# Altium PCB Whitespace_Daughtercard.PcbDoc (part 1 of 5) (continued)
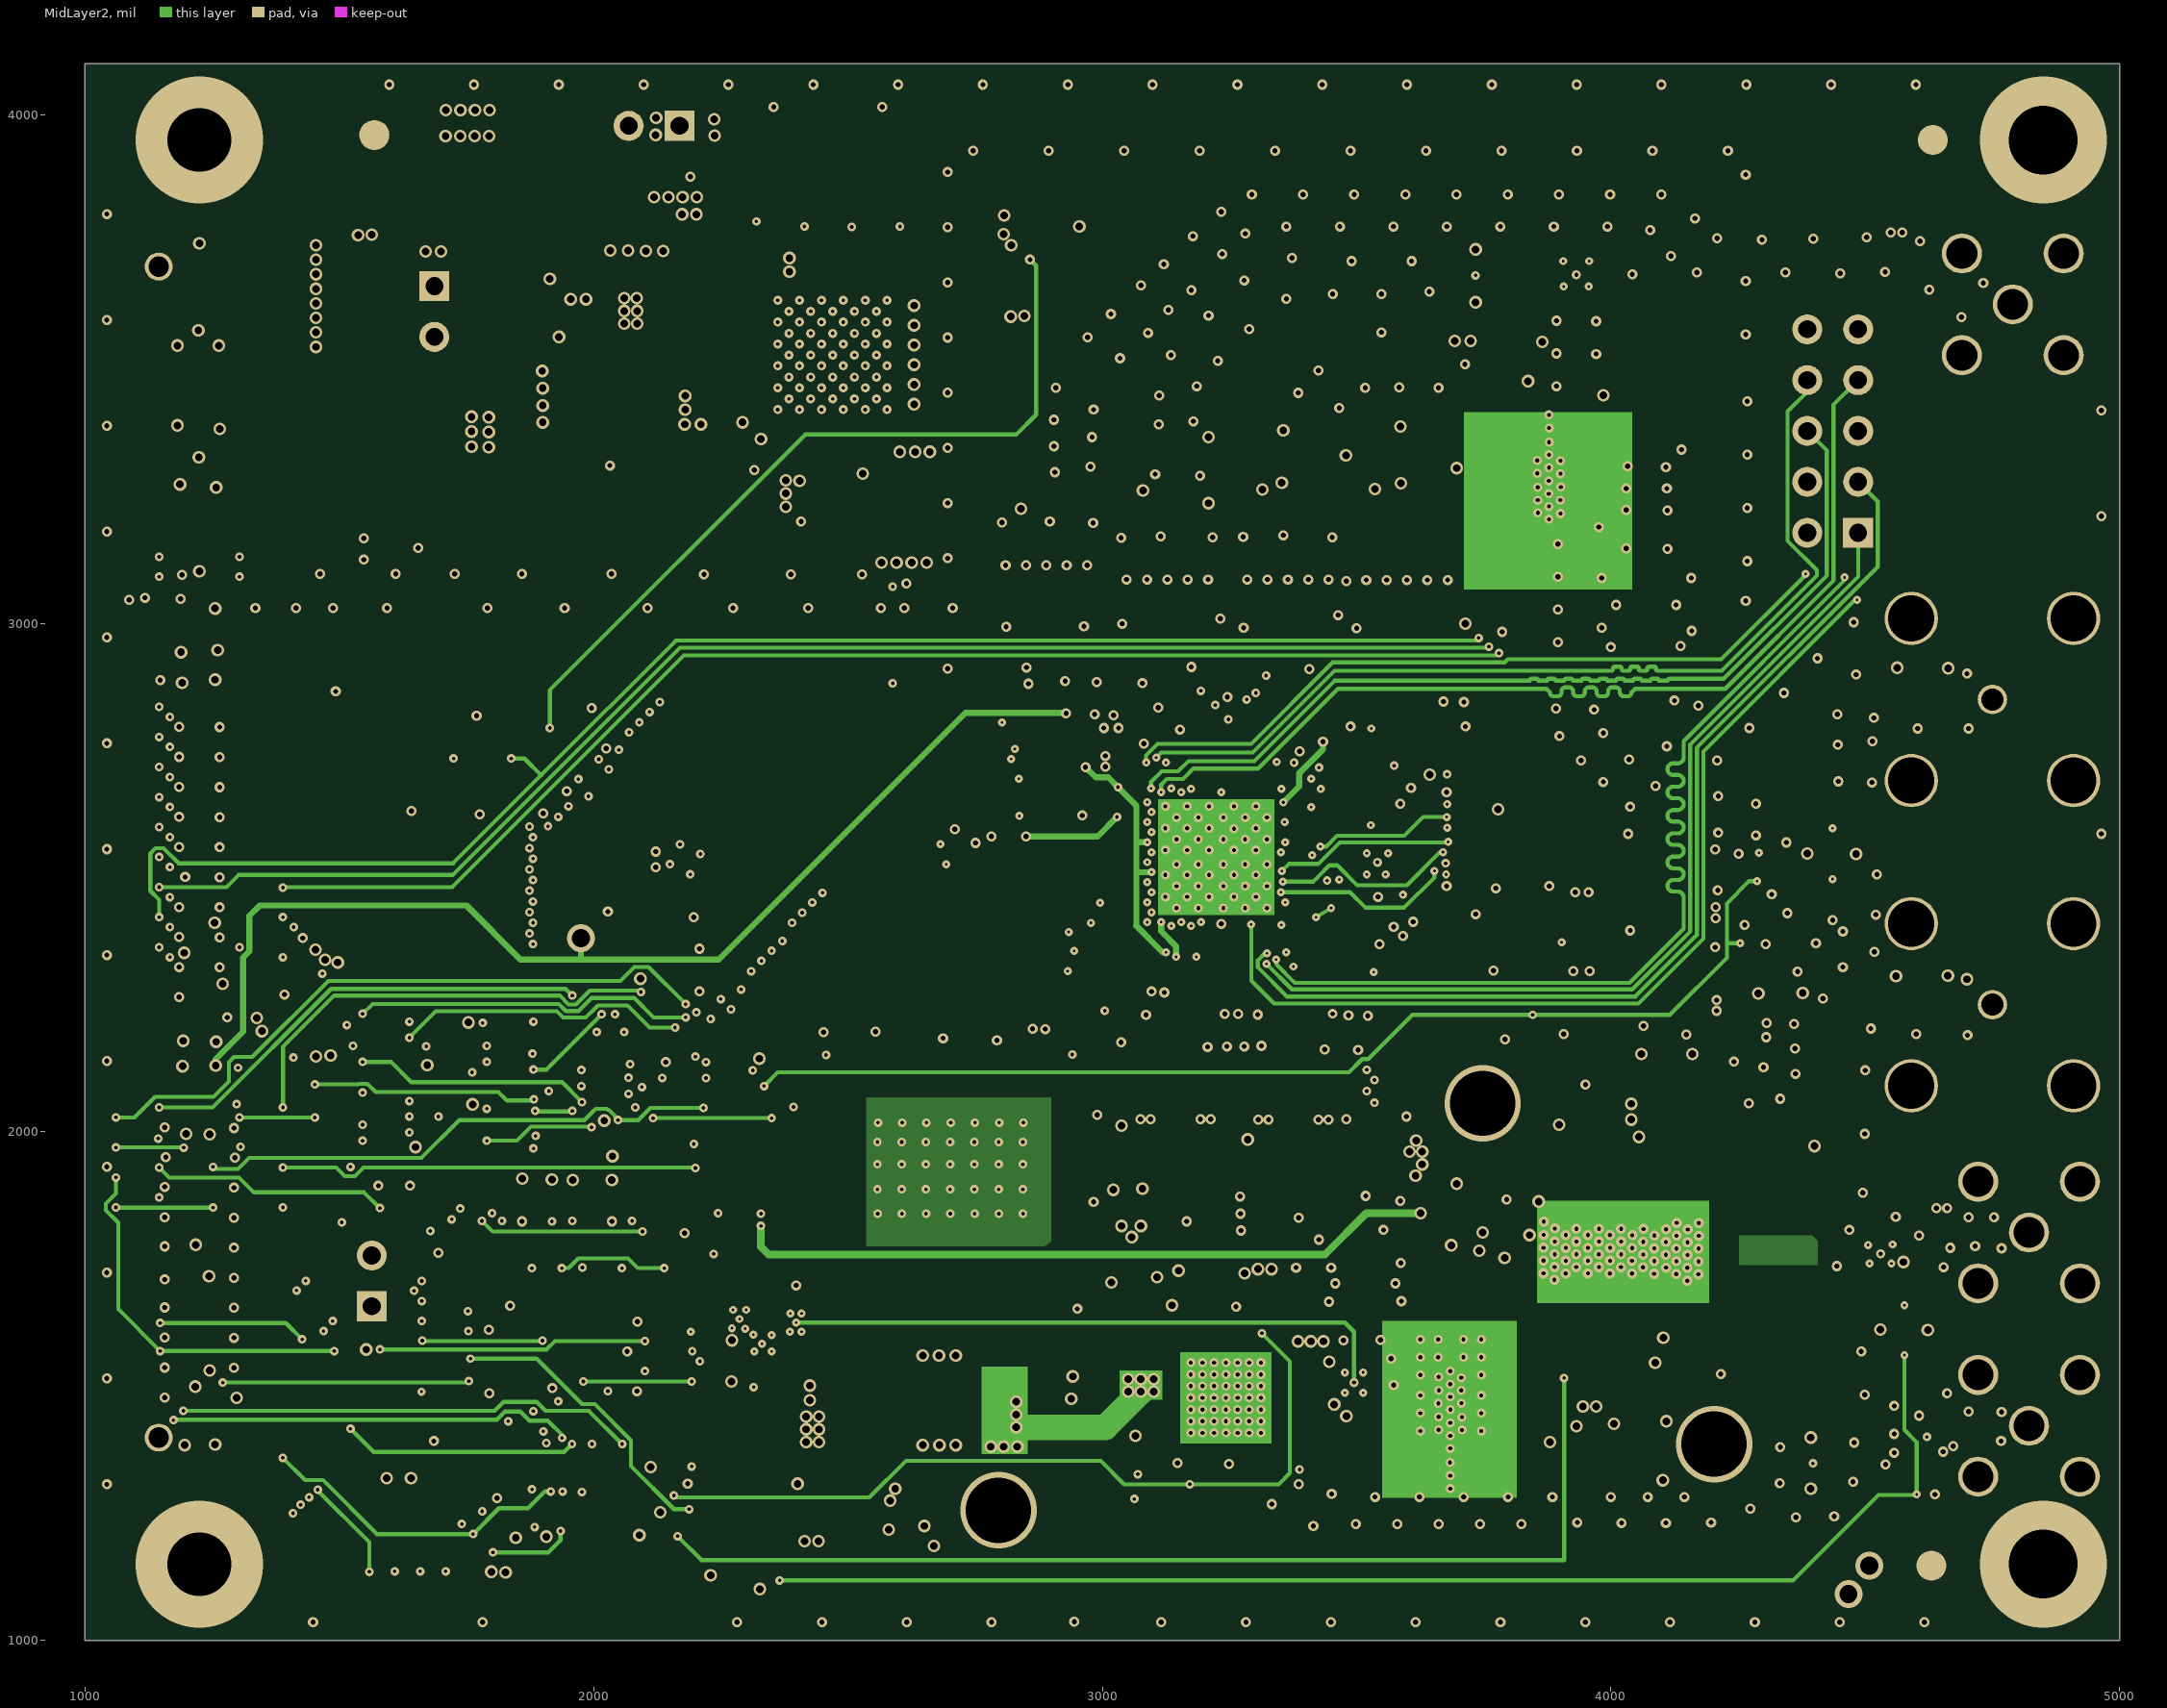
[diagram p4: MidLayer2]
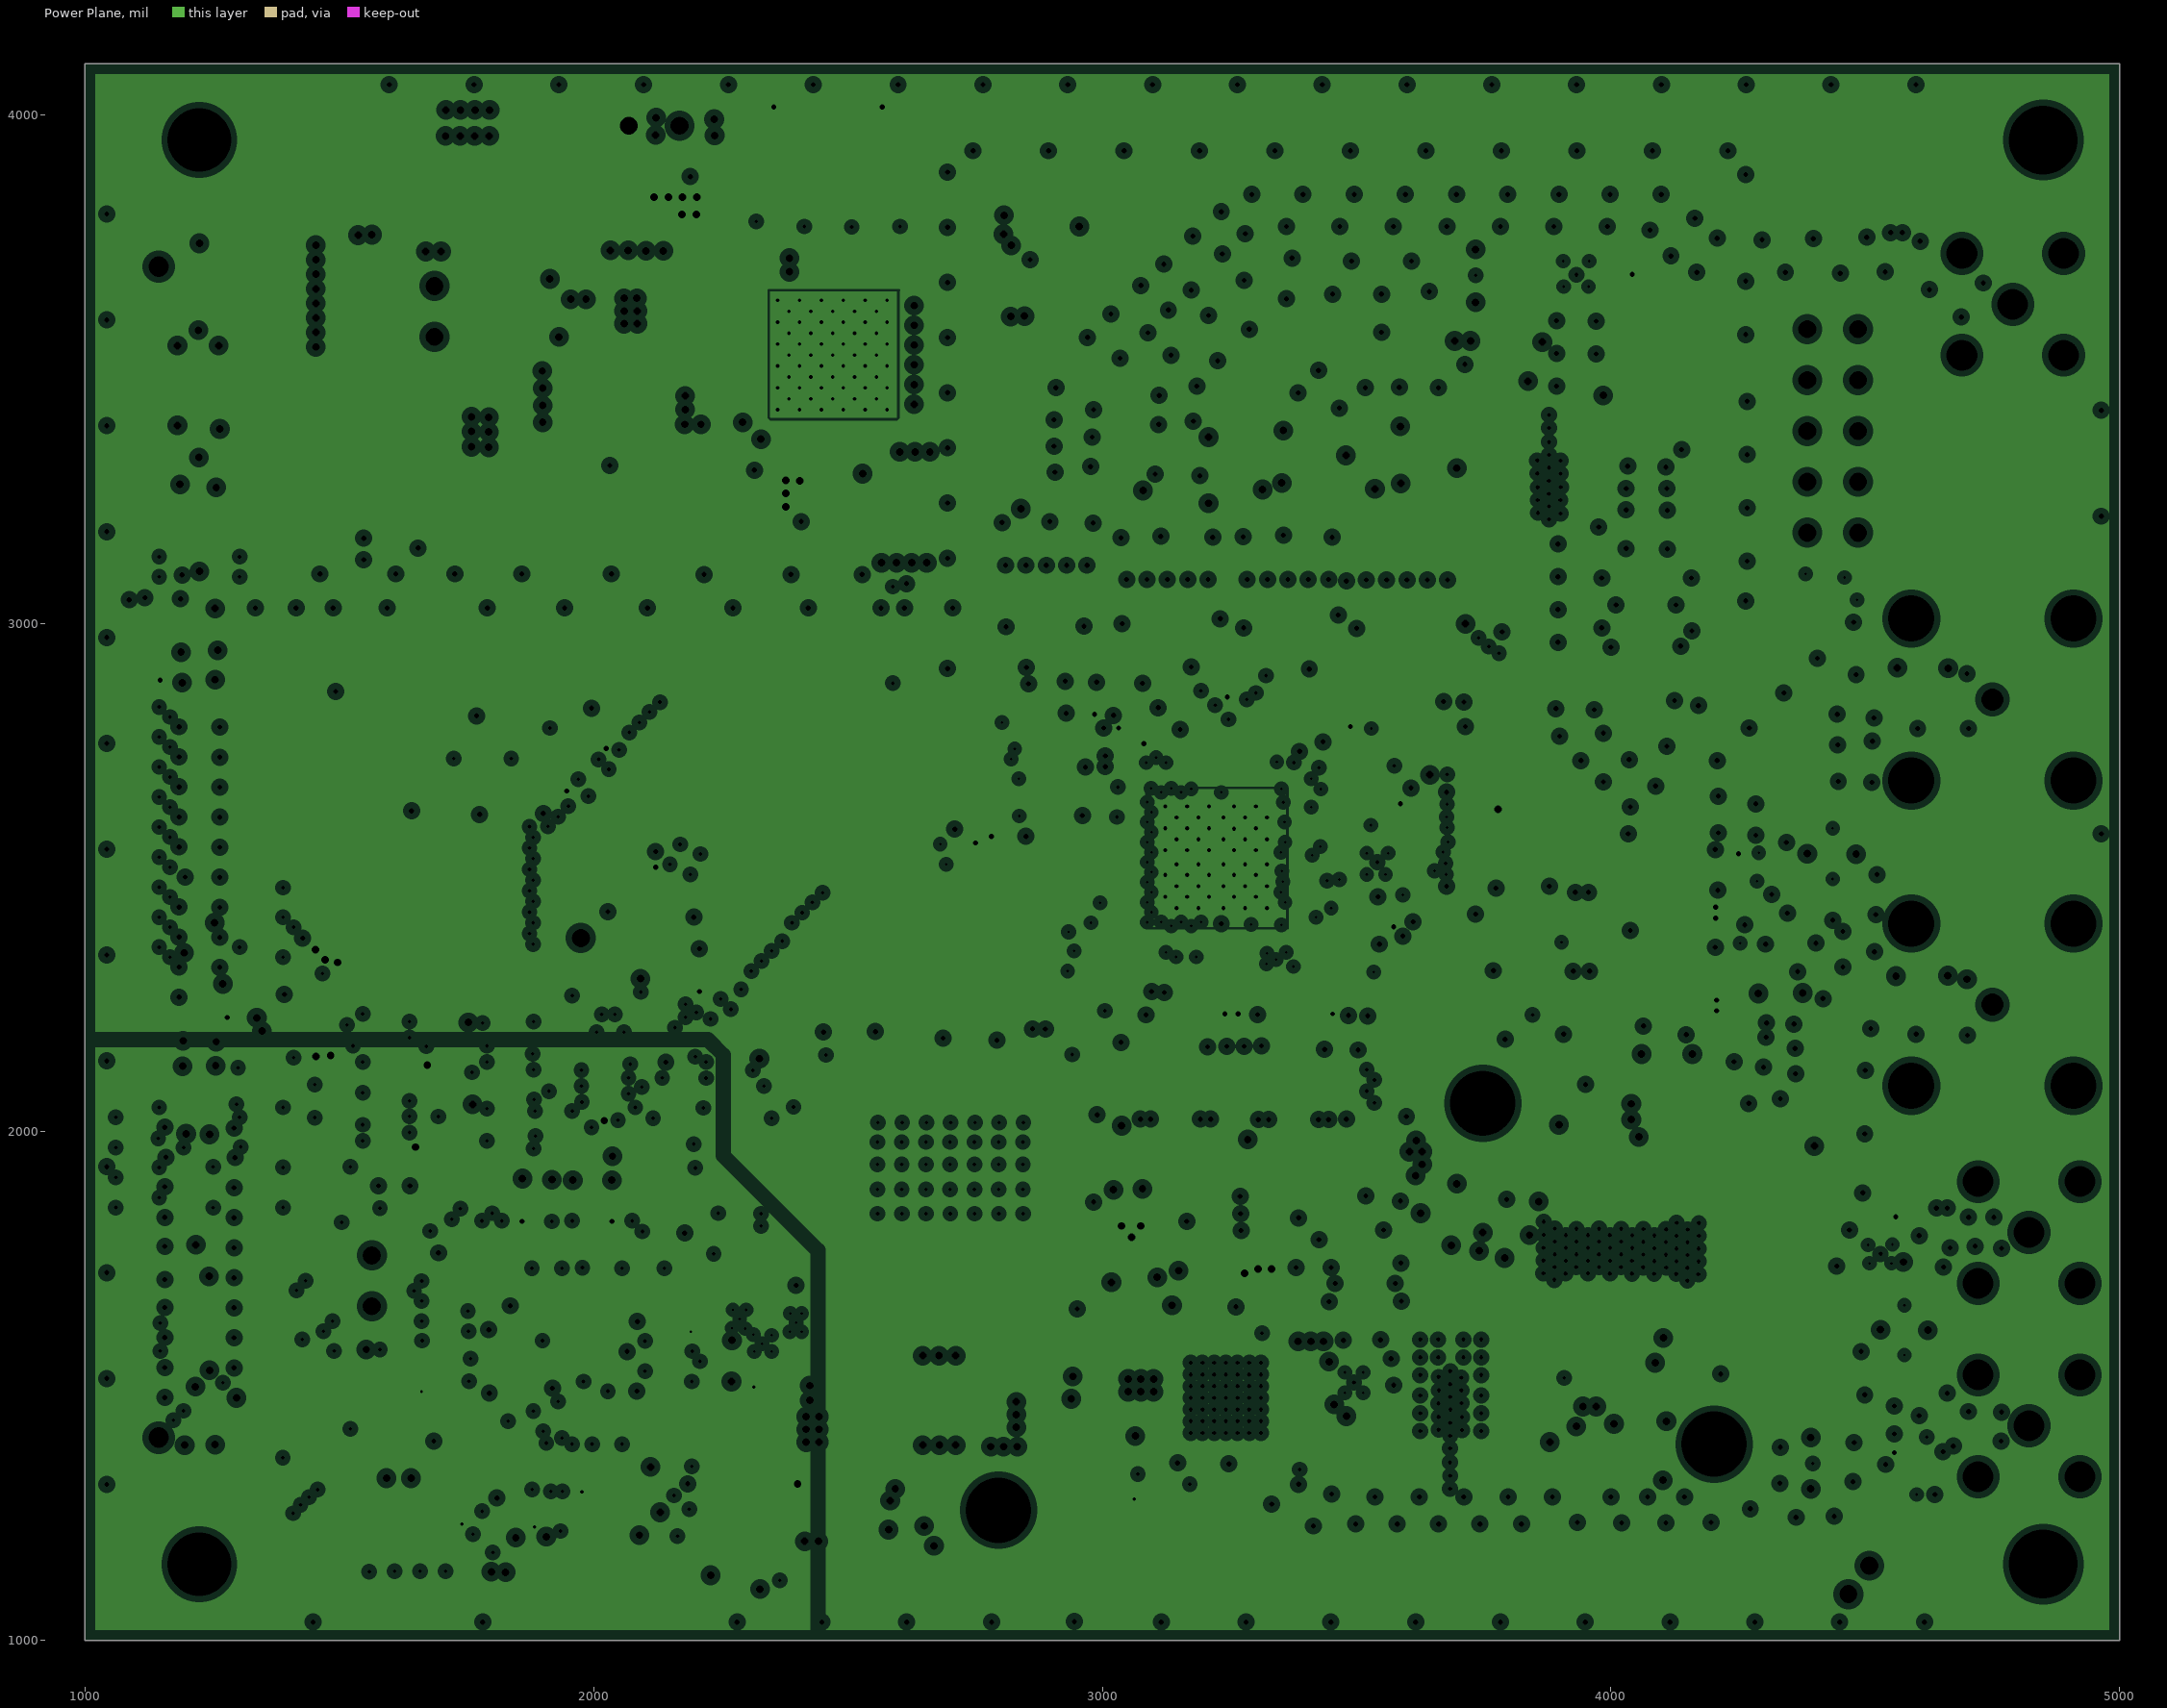
[diagram p5: Power Plane, clearances drawn from the general rule]

## Layer stack, top to bottom
Top Solder: solder mask 0.4, PSR-4000BN, Dk 4.5
Top Layer: signal copper 1.35
Dielectric1: core 5.6, Isola FR406, Dk 3.95
Ground Plane: plane copper 1.35
Dielectric5: prepreg 18, FR-4, Dk 3.95
MidLayer1: signal copper 1.35
Dielectric2: core 7, Isola FR406, Dk 3.95
MidLayer2: signal copper 1.35
Dielectric3: prepreg 18, Isola FR406, Dk 3.95
Power Plane: plane copper 1.35
Dielectric4: core 5.6, Isola FR406, Dk 3.95
Bottom Layer: signal copper 1.35
Bottom Solder: solder mask 0.4, PSR-4000BN, Dk 4.5

## Board outline
1000,1000 5000,1000 5000,4100 1000,4100

## Design rules (kind name [scope] priority, off if disabled: settings)
AcuteAngle [All] p1 off: minimum=6.00000000000000E+0001 checktracksonly=FALSE
Clearance Clearance_Poly2uStrip-9mil [InNetClass('RF_325') OR InNetClass('RF') OR InNetClass('CLK') vs IsRegion OR (IsVia AND InNet('GND'))] p1: gap=9 ignorepadtopadclearanceinfootprint=FALSE except(0: Arc-Hole Track-Hole SMDPad-Hole THPad-Hole Via-Hole Fill-Hole Poly-Hole Region-Hole Text-Hole)
Clearance Clearance_Poly2Feature-8mil [All vs IsRegion] p2: gap=8 ignorepadtopadclearanceinfootprint=FALSE except(0: Arc-Hole Track-Hole SMDPad-Hole THPad-Hole Via-Hole Fill-Hole Poly-Hole Region-Hole Text-Hole)
Clearance Clearance_Guides-0mil [OnLayer('Mechanical 15') or OnLayer('Top Overlay') or OnLayer('Bottom Overlay')] p3: gap=0 ignorepadtopadclearanceinfootprint=FALSE
Clearance Clearance_Inner-5mil [OnLayer('MidLayer1') OR OnLayer('MidLayer2') OR OnLayer('Ground Plane') OR OnLayer('Power Plane') vs OnLayer('MidLayer1') OR OnLayer('MidLayer2') OR OnLayer('Ground Plane') OR OnLayer('Power Plane')] p4: gap=5 ignorepadtopadclearanceinfootprint=FALSE except(0: Arc-Hole Track-Hole SMDPad-Hole THPad-Hole Via-Hole Fill-Hole Poly-Hole Region-Hole Text-Hole)
Clearance Clearance_General-5mil [All] p5: gap=5 ignorepadtopadclearanceinfootprint=FALSE except(0: Arc-Hole Track-Hole SMDPad-Hole THPad-Hole Via-Hole Fill-Hole Poly-Hole Region-Hole Text-Hole)
ComponentClearance ComponentClearance_Guide-0mil [OnLayer('Mechanical 15') or OnLayer('Top Overlay') or OnLayer('Bottom Overlay')] p1 off: gap=0 collisioncheckmode=3 verticalgap=10 showdistances=FALSE
ComponentClearance "ComponentClearance_Default 5mil" [All] p2 off: gap=5 collisioncheckmode=3 verticalgap=10 showdistances=FALSE // From Screaming Circuits
DiffPairsRouting [All] p1: maxlimit=10 minlimit=10 mostfreqgap=10 toplayer_minwidth=15 toplayer_maxwidth=15 toplayer_prefwidth=15 midlayer1_minwidth=15 midlayer1_maxwidth=15 midlayer1_prefwidth=15 midlayer2_minwidth=15 midlayer2_maxwidth=15 midlayer2_prefwidth=15 bottomlayer_minwidth=15 bottomlayer_maxwidth=15 bottomlayer_prefwidth=15 maxuncoupledlength=500
Height [All] p1: minheight=0 maxheight=1500 prefheight=500
HoleSize HoleSize_5mil [All] p1: absolutevalues=TRUE maxlimit=250 minlimit=5 maxpercent=80.000 minpercent=20.000
HoleToHoleClearance HoleToHoleClearance_8mil [All] p1: gap=8 allowstackedmicrovias=TRUE
MaxMinImpedance "Schematic Impedance Constraint_2" [InNetClass('CLK')] p1: minimum=49.00 maximum=51.00
MaxMinImpedance "Schematic Impedance Constraint_3" [InNetClass('RF')] p2: minimum=49.00 maximum=51.00
MaxMinImpedance "Schematic Impedance Constraint_5" [InNetClass('RF_325')] p3: minimum=32.00 maximum=33.00
MaxMinImpedance "Schematic Impedance Constraint_1" [InNet('USB0D_N')] p4: minimum=49.00 maximum=51.00
MaxMinImpedance "Schematic Impedance Constraint" [InNet('USB0D_P')] p5: minimum=49.00 maximum=51.00
MinimumAnnularRing MinimumAnnularRing-7mil_component [(InComponentClass('All Components'))] p1: minimumring=7
MinimumAnnularRing MinimumAnnularRing-5mil [All] p2: minimumring=5
MinimumSolderMaskSliver MinimumSolderMaskSliver_3mil [All] p1: minsoldermaskwidth=3
PasteMaskExpansion PasteMaskExpansion_0mil [All] p1: expansion=0
PlaneClearance PlaneClearance_12mil [All] p1: clearance=12
PlaneConnect PlaneConnect_AllVias [IsVia] p1: planeconnectstyle=Direct reliefexpansion=20 reliefentries=4 reliefconductorwidth=10 reliefairgap=10
PlaneConnect PlaneConnect_Default [All] p2: planeconnectstyle=Relief reliefexpansion=10 reliefentries=4 reliefconductorwidth=20 reliefairgap=7
PolygonConnect [All] p1: connectstyle=Direct reliefconductorwidth=10 reliefentries=4 polygonreliefangle="90 Angle" airgapwidth=10
RoutingVias [All] p1: holewidth=5 width=15 viastyle="Through Hole" minholewidth=5 minwidth=15 maxholewidth=250 maxwidth=260
SilkToSilkClearance SilkToSilkClearance_7mil [All] p1 off: silktosilkclearance=5
SilkToSolderMaskClearance SilkscreenOverComponentPads [IsPad] p1: minsilkscreentomaskgap=0 clearancetoexposedcopper=TRUE
SolderMaskExpansion SolderMaskExpansion_3mil [All] p1: expansion=3
Width "Width_RF-325 Ohm" [InNetClass('RF_325')] p1: maxlimit=31.82 minlimit=7.94 preferedwidth=31.82 toplayer_maxwidth=14.41 toplayer_prefwidth=14.41 midlayer1_minwidth=18.14 midlayer2_minwidth=18.14 bottomlayer_maxwidth=14.41 bottomlayer_prefwidth=14.41 impedancedriven=TRUE minimp=32.500000 maximp=50.000000 favimp=32.500000
Width "Width_CLK-50 Ohm" [InNetClass('CLK') and OnLayer('Top Layer')] p2: maxlimit=18.14 minlimit=7.94 preferedwidth=18.14 toplayer_maxwidth=7.94 toplayer_prefwidth=7.94 midlayer1_minwidth=18.14 midlayer2_minwidth=18.14 bottomlayer_maxwidth=7.94 bottomlayer_prefwidth=7.94 impedancedriven=TRUE minimp=50.000000 maximp=50.000000 favimp=50.000000
Width Width_Silkscreen-5mil [OnLayer('Top Overlay') OR OnLayer('Bottom Overlay')] p3: maxlimit=10 minlimit=5 preferedwidth=5
Width "Width_RF-75 Ohm" [InNetClass('RF_75')] p4: maxlimit=7.69 minlimit=2.93 preferedwidth=7.69 toplayer_maxwidth=2.93 toplayer_prefwidth=2.93 midlayer1_minwidth=7.69 midlayer2_minwidth=7.69 bottomlayer_maxwidth=2.93 bottomlayer_prefwidth=2.93 impedancedriven=TRUE minimp=75.000000 maximp=75.000000 favimp=75.000000
Width "Width_RF-50 Ohm" [InNetClass('RF') and OnLayer('Top Layer')] p5: maxlimit=18.14 minlimit=7.94 preferedwidth=18.14 toplayer_maxwidth=7.94 toplayer_prefwidth=7.94 midlayer1_minwidth=18.14 midlayer2_minwidth=18.14 bottomlayer_maxwidth=7.94 bottomlayer_prefwidth=7.94 impedancedriven=TRUE minimp=50.000000 maximp=50.000000 favimp=50.000000
Width Width_Default-7.937mil [All] p6: maxlimit=60 minlimit=7 preferedwidth=7.94
19 further rules are at their usual default settings.

## Classes and differential pairs
net class RF_325: UHF_BB_RX_N UHF_BB_RX_P UHF_BB_TX_N UHF_BB_TX_P UHF_POSTEXTLNA_N UHF_POSTEXTLNA_P WIFI_BB_RX_N WIFI_BB_RX_P WIFI_BB_TX_N WIFI_BB_TX_P
net class PC[4..7]: PC4 PC5 PC6 PC7
net class PB[0..6]: PB0 PB1 PB2 PB3 PB4 PB5 PB6
component class WIFI_RF_FRONT_END: C67 C69 C70 C71 C72 C73 C74 C75 C76 C77 C78 C138 C139 C140 C141 C147 C148 C149 C150 IC3 IC5 IC6 L11 NC1 NC2 NL1 NL2 R13 R14 SW2 T3 T4 U15 U16
component class Whitespace_Daughtercard_top_level: C95 FB20 FB21 FB22 J11 J12 R34 R35 U10
component class UHF_RF_FRONT_END: C1 C2 C3 C4 C5a C5b C6a C6b C6c C7 C8 C48 C49 C50 C51 C52 C53 C54 C55 C56 C57 C58 C59 C60 C61 C62 C63 C64 C65 C66 C96 C97 C98 C99 C121 C123 C124 C125 C126 C136 C137 C142 C143 C144 C145 C146 C167 C168 IC1 IC2 IC7 IC8 IC9 IC10 IC11 J14 L1 L2 L3 L4 L5 L6 L7 L8 L9 L10 L16 L17 MC1 MC2 ML1 ML2 R3 R4 R5 R6 R7 R8 R9 R10 R11 R51 R53 SW1 T1 T2 T6 U5 U7 U9 U17
component class Transceiver: C68 C81 C82 C83 C84 C85 C86 C87 C88 C89 C90 C91 C92 C93 C94 C115 C116 C117 C118 C119 C120 C127 C128 D10 D11 D12 D13 D14 J4 J5 J6 J7 J8 J9 L12 L13 L14 L15 R12 R16 R17 R18 R19 R20 R21 R22 R23 R24 R25 R26 R27 R28 R29 R30 R31 R32 R33 R36 R41 S1 S2 T5
component class SPI_MUX: U13 U14
component class Power: C5 C6 C9 C10 C11 C12 C13 C14 C15 C16 C17 C18 C19 C20 C21 C22 C23 C24 C25 C26 C27 C28 C29 C30 C31 C32 C33 C34 C35 C36 C37 C38 C39 C40 C41 C42 C43 C44 C45 C46 C47 C79 C80 C129 C130 C131 C132 C133 C134 C135 D1 D2 D3 D4 FB1 FB2 FB3 FB4 FB5 FB6 FB7 FB8 FB9 FB10 FB11 FB12 FB13 FB14 FB15 FB16 FB17 FB18 FB19 FB23 FB24 FB25 IC4 J1 J2 R1 R2 R39 R40 R42 R43 R44 R45 R58 R59 R102 R103 U1 U2 U3 U4 U6 U8
component class Microcontroller: C102 C103 C104 C105 C106 C107 C108 C109 C110 C111 C112 C113 C114 C161 C162 C163 C164 D5 D15 J10 R37 R38 R46 R52 R62 R63 SW3 U12 Y1
component class Daughtercard_Connector: C151 C152 C153 C154 C155 C156 C157 C158 C159 C160 C165 C166 D6 D7 D8 D9 J3 R15 R47 R48 R49 R54 R55 R56 R57 R60 R61
net class RF: GND NetC2_2 NetC4_2 NetC5a_2 NetC6a_2 NetC7_2 NetC8_2 NetC49_1 NetC49_2 NetC50_1 NetC62_1 NetC62_2 NetC66_1 NetC73_1 NetC73_2 NetC76_1 NetC81_2 NetC82_2 NetC83_2 NetC84_2 NetC85_1 NetC86_1 NetC86_2 NetC87_1 NetC97_2 NetC98_1 NetC121_1 NetC121_2 NetC126_1 NetC136_2 NetC137_2 NetC139_1 NetC167_1 NetC167_2 NetIC10_1 NetMC1_2 NetML1_1 NetNC1_2 RX3_4_N RX3_4_P RXCPOUT_4 RXOUTIN_4 RXOUTIP_4 RXOUTQN_4 RXOUTQP_4 RXVTUNE_4 SIGINTERSTAGE_7 SIGPOSTAMP_7 TXCPOUT_4 TXININ_4 TXINIP_4 TXINQN_4 TXINQP_4 TXVTUNE_4 UHF_ANT_1 UHF_ANT_2 UHF_BB_SE_INMIXAUX_7 UHF_BB_SE_POST_EXTLNA_7 UHF_BB_SE_RX_7 UHF_PRE_EXTLNA_7 WIFI_ANT_1 WIFI_ANT_2 WIFI_BB_SE_RX_8 WIFI_FILTER_OUT_8 WIFI_PA_IN_8 WIFI_PA_OUT_8 WIFI_RX_PREFILTER_8
net class CLK: NetR36_1 PLL_CLK_OUT PLLCLK RX_CLK RX_CLK_IN_4 RX_CLK_OUT TX_CLK TX_CLK_IN_4
component class "Implementation Notes": F1 F2 F3 Heatsink
differential pair RX3_4: +RX3_4_P -RX3_4_N
differential pair WIFI_BB_TX: +WIFI_BB_TX_P -WIFI_BB_TX_N
differential pair WIFI_BB_RX: +WIFI_BB_RX_P -WIFI_BB_RX_N
differential pair USB0D: +USB0D_P -USB0D_N
differential pair UHF_BB_TX: +UHF_BB_TX_P -UHF_BB_TX_N
differential pair UHF_BB_RX: +UHF_BB_RX_P -UHF_BB_RX_N
differential pair UHF_POSTEXTLNA: +UHF_POSTEXTLNA_P -UHF_POSTEXTLNA_N

## Components (designator, comment, footprint, x,y, rotation, side; value= is the part's Value field where it differs from the comment)
C1 "0402 SIM" 0402_SMT_V3 3507.89,1442 r0 top
C2 "0402  SIM" 0402_SMT_V3 3941.89,1382 r270 top
C3 "0402 SIM" 0402_SMT_V3 4075,1350 r180 top
C4 "0402 SIM" 0402_SMT_V3 4075,1460 r180 top
C5 "0402" 0402_SMT_v3 3235,2350 r0 bottom
C5a "0201 SIM" 0201_SMT_V3 4071,1563 r180 top
C5b "0402  SIM" 0402_SMT_V3 4075,1587 r180 top
C6 "0402 X7R 10%" 0402_SMT_v3 3266,2317 r180 bottom
C6a "0402 SIM" 0402_SMT_V3 4026,1989 r180 top
C6b "0201 SIM" 0201_SMT_V3 4022,2030 r180 top
C6c "0201 SIM" 0201_SMT_V3 4022,2061 r180 top
C7 "0402 SIM" 0402_SMT_V3 4061,2124 r270 top
C8 "0402 SIM" 0402_SMT_V3 4161,2124 r270 top
C9 "0402 X7R 10%" 0402_SMT_v3 3145,2296 r90 bottom
C10 "0402" 0402_SMT_v3 3477,2460 r270 top
C11 "0402 X7R 10%" 0402_SMT_v3 3510,2460 r270 top
C12 "0402 X7R 10%" 0402_SMT_v3 3452,2581.84 r270 top
C13 "0402" 0402_SMT_v3 3452,2672 r90 top
C14 "0402 X7R 10%" 0402_SMT_v3 3486,2703 r270 top
C15 "0805 X7R 10%" 0805_SMT_v3 2562,3313.02 r180 top
C16 "0402" 0402_SMT_v3 3079,2328 r270 bottom
C17 "0402 X7R" 0402_SMT_v3 2438,3190.02 r270 top
C18 "1206 X7R 10%" 1206_SMT_v3 2639,3283.02 r270 top
C19 "0402" 0402_SMT_v3 3057,2702 r180 bottom
C20 "0402 X7R 10%" 0402_SMT_v3 3025,2736 r0 bottom
C21 "0402" 0402_SMT_v3 3155,2699 r0 bottom
C22 "0402 X7R 10%" 0402_SMT_v3 3187,2732 r180 bottom
C23 "0402" 0402_SMT_v3 3286,2721 r180 bottom
C24 "0402 X7R 10%" 0402_SMT_v3 3254,2754 r0 bottom
C25 "0603" 0603_SMT_v3 3474,2274 r90 top
C26 "0402" 0402_SMT_v3 3433,2335 r270 top
C27 "0603" 0603_SMT_v3 3445,2738 r90 top
C28 "0402" 0402_SMT_v3 3485,2764 r270 top
C29 "0402" 0402_SMT_v3 3446,2402 r270 top
C30 "0402 X7R 10%" 0402_SMT_v3 3489.5,2371 r90 top
C31 "0402" 0402_SMT_v3 3397,2344 r0 bottom
C32 "0402 X7R 10%" 0402_SMT_v3 3428,2311 r180 bottom
C33 "0402" 0402_SMT_v3 3178,2284 r0 bottom
C34 "0402" 0402_SMT_v3 3178,2317 r0 bottom
C35 "0402 X7R 10%" 0402_SMT_v3 3387,2524 r270 bottom
C36 "0402" 0402_SMT_v3 3361,2766 r180 bottom
C37 "0402 X7R 10%" 0402_SMT_v3 3329,2808 r0 bottom
C38 "0402" 0402_SMT_v3 3452,2644 r270 top
C39 "0402 X7R 10%" 0402_SMT_v3 3485,2613 r90 top
C40 "0402" 0402_SMT_v3 2974,2757 r90 top
C41 "0402 X7R 10%" 0402_SMT_v3 2965,2679 r0 bottom
C42 "0402" 0402_SMT_v3 2979,2621 r0 bottom
C43 "0402" 0402_SMT_v3 3112,2296 r90 bottom
C44 "0805 X7R 50V" 0805_SMT_v3 2527,1482 r180 top
C45 "0805 X7R 50V" 0805_SMT_v3 2839,1519 r0 top
C46 "0805 X7R 50V" 0805_SMT_v3 2277,3704 r0 top
C47 "0402 C0G 50V" 0402_SMT_v3 2261,3360 r90 top
C48 "BP 0402" 0402_SMT_V3 3831.89,1420 r0 top
C49 "0402  SIM" 0402_SMT_V3 3539.89,1331 r0 top
C50 "0402  SIM" 0402_SMT_V3 3870.89,1350 r0 top
C51 "BP 0402" 0402_SMT_V3 3898,1988 r270 top
C52 "BP 0603" 0603_SMT_V3 3857,1892 r90 top
C53 "1206 50V" 1206_SMT_v3 3797,1908 r270 top
C54 "BP 0805 DNF" 0805_SMT_v3 3740,1733 r270 top
C55 "BP 0603" 0603_SMT_V3 3792,1717 r270 top
C56 "BP 0402" 0402_SMT_V3 3832,1691 r270 top
C57 "0402 SIM" 0402_SMT_V3 4196,2092 r0 top
C58 "Cap" 0402_SMT_V3 4482,2476 r270 top
C59 "Cap" 0402_SMT_V3 4482,2648 r270 top
C60 "0402" 0402_SMT_v3 4436,2445 r90 top
C61 "0402" 0402_SMT_v3 4436,2647 r270 top
C62 "0402 SIM" 0402_SMT_v3 3415,3206 r90 top
C63 "0201" 0201_SMT_v3 3348,2929 r0 top
C64 "0402 SIM" 0402_SMT_v3 3384,3277 r0 top
C65 "0402 SIM" 0402_SMT_v3 3416,3379 r180 top
C66 "0402" 0402_SMT_v3 3315,3201 r90 top
C67 "0402" 0402_SMT_v3 3420,1547 r180 top
C68 "0402" 0402_SMT_v3 1920,2677 r270 top
C69 "0402" 0402_SMT_v3 4623,1540.5 r270 top
C70 "0402" 0402_SMT_v3 4622,1683 r90 top
C71 "0402" 0402_SMT_v3 4577,1509 r90 top
C72 "0402" 0402_SMT_v3 4576,1714 r270 top
C73 "0402 SIM" 0402_SMT_v3 3179,3203 r180 top
C74 "0402 SIM" 0402_SMT_v3 3179,3237 r180 top
C75 "0402 SIM" 0402_SMT_v3 3178,3331 r180 top
C76 "0402" 0402_SMT_v3 3079,3201 r90 top
C77 "0805 X7R 50V" 0805_SMT_v3 3065,1442 r270 top
C78 "1206 X5R 50V" 1206_SMT_v3 3060,1673 r270 top
C79 "0805 X7R 10%" 0805_SMT_v3 4161,2363 r270 top
C80 "1206 X7R 10%" 1206_SMT_v3 3944,2247 r90 top
C81 "0402" 0402_SMT_v3 4561.5,2280 r270 top
C82 "0402" 0402_SMT_v3 4662.5,2280 r270 top
C83 "0402" 0402_SMT_v3 4563,2882 r270 top
C84 "0402" 0402_SMT_v3 4663,2883 r270 top
C85 "0402" 0402_SMT_V3 2868,2990.2 r270 top locked
C86 "0402" 0402_SMT_V3 2940,3265 r270 top
C87 "0402" 0402_SMT_V3 2913,2990.2 r270 top locked
C88 "0402 X7R 10%" 0402_SMT_V3 3103,2301.5 r0 top
C89 "0402" 0402_SMT_v3 3503,2720 r180 bottom
C90 "0402" 0402_SMT_v3 3504,2628 r180 bottom
C91 "0402" 0402_SMT_v3 3504,2594 r180 bottom
C92 "0402" 0402_SMT_v3 3504.5,2329 r180 bottom
C93 "0402" 0402_SMT_v3 3505.5,2426 r180 bottom
C94 "0402" 0402_SMT_v3 3505.5,2459 r180 bottom
C95 "0402 X7R 10%" 0402_SMT_V3 1699,1308 r180 top
C96 "BP 0402" 0402_SMT_V3 3765,3476 r0 top
C97 "0402  SIM" 0402_SMT_V3 3720,3419.58 r270 top
C98 "0402" 0402_SMT_V3 4025,3385 r0 top
C99 "BP 0805" 0805_SMT_v3 3836,3543 r180 top
C102 "0402 X7R 10%" 0402_SMT_V3 1653,1545 r270 top
C103 "0402 X7R 10%" 0402_SMT_V3 2243,1608 r180 top
C104 "0402 X7R 10%" 0402_SMT_V3 2037,1874 r270 top
C105 "0402 X7R 10%" 0402_SMT_V3 1954,1270 r0 top
C106 "0402 X7R 10%" 0402_SMT_V3 1860,1843 r90 top
C107 "0402" 0402_SMT_v3 1958,1843 r90 top
C108 "0402 X7R 10%" 0402_SMT_V3 2244,1510 r180 top